# Altium PCB 电解水杯拼版6in1.PcbDoc (part 4 of 9) (continued)
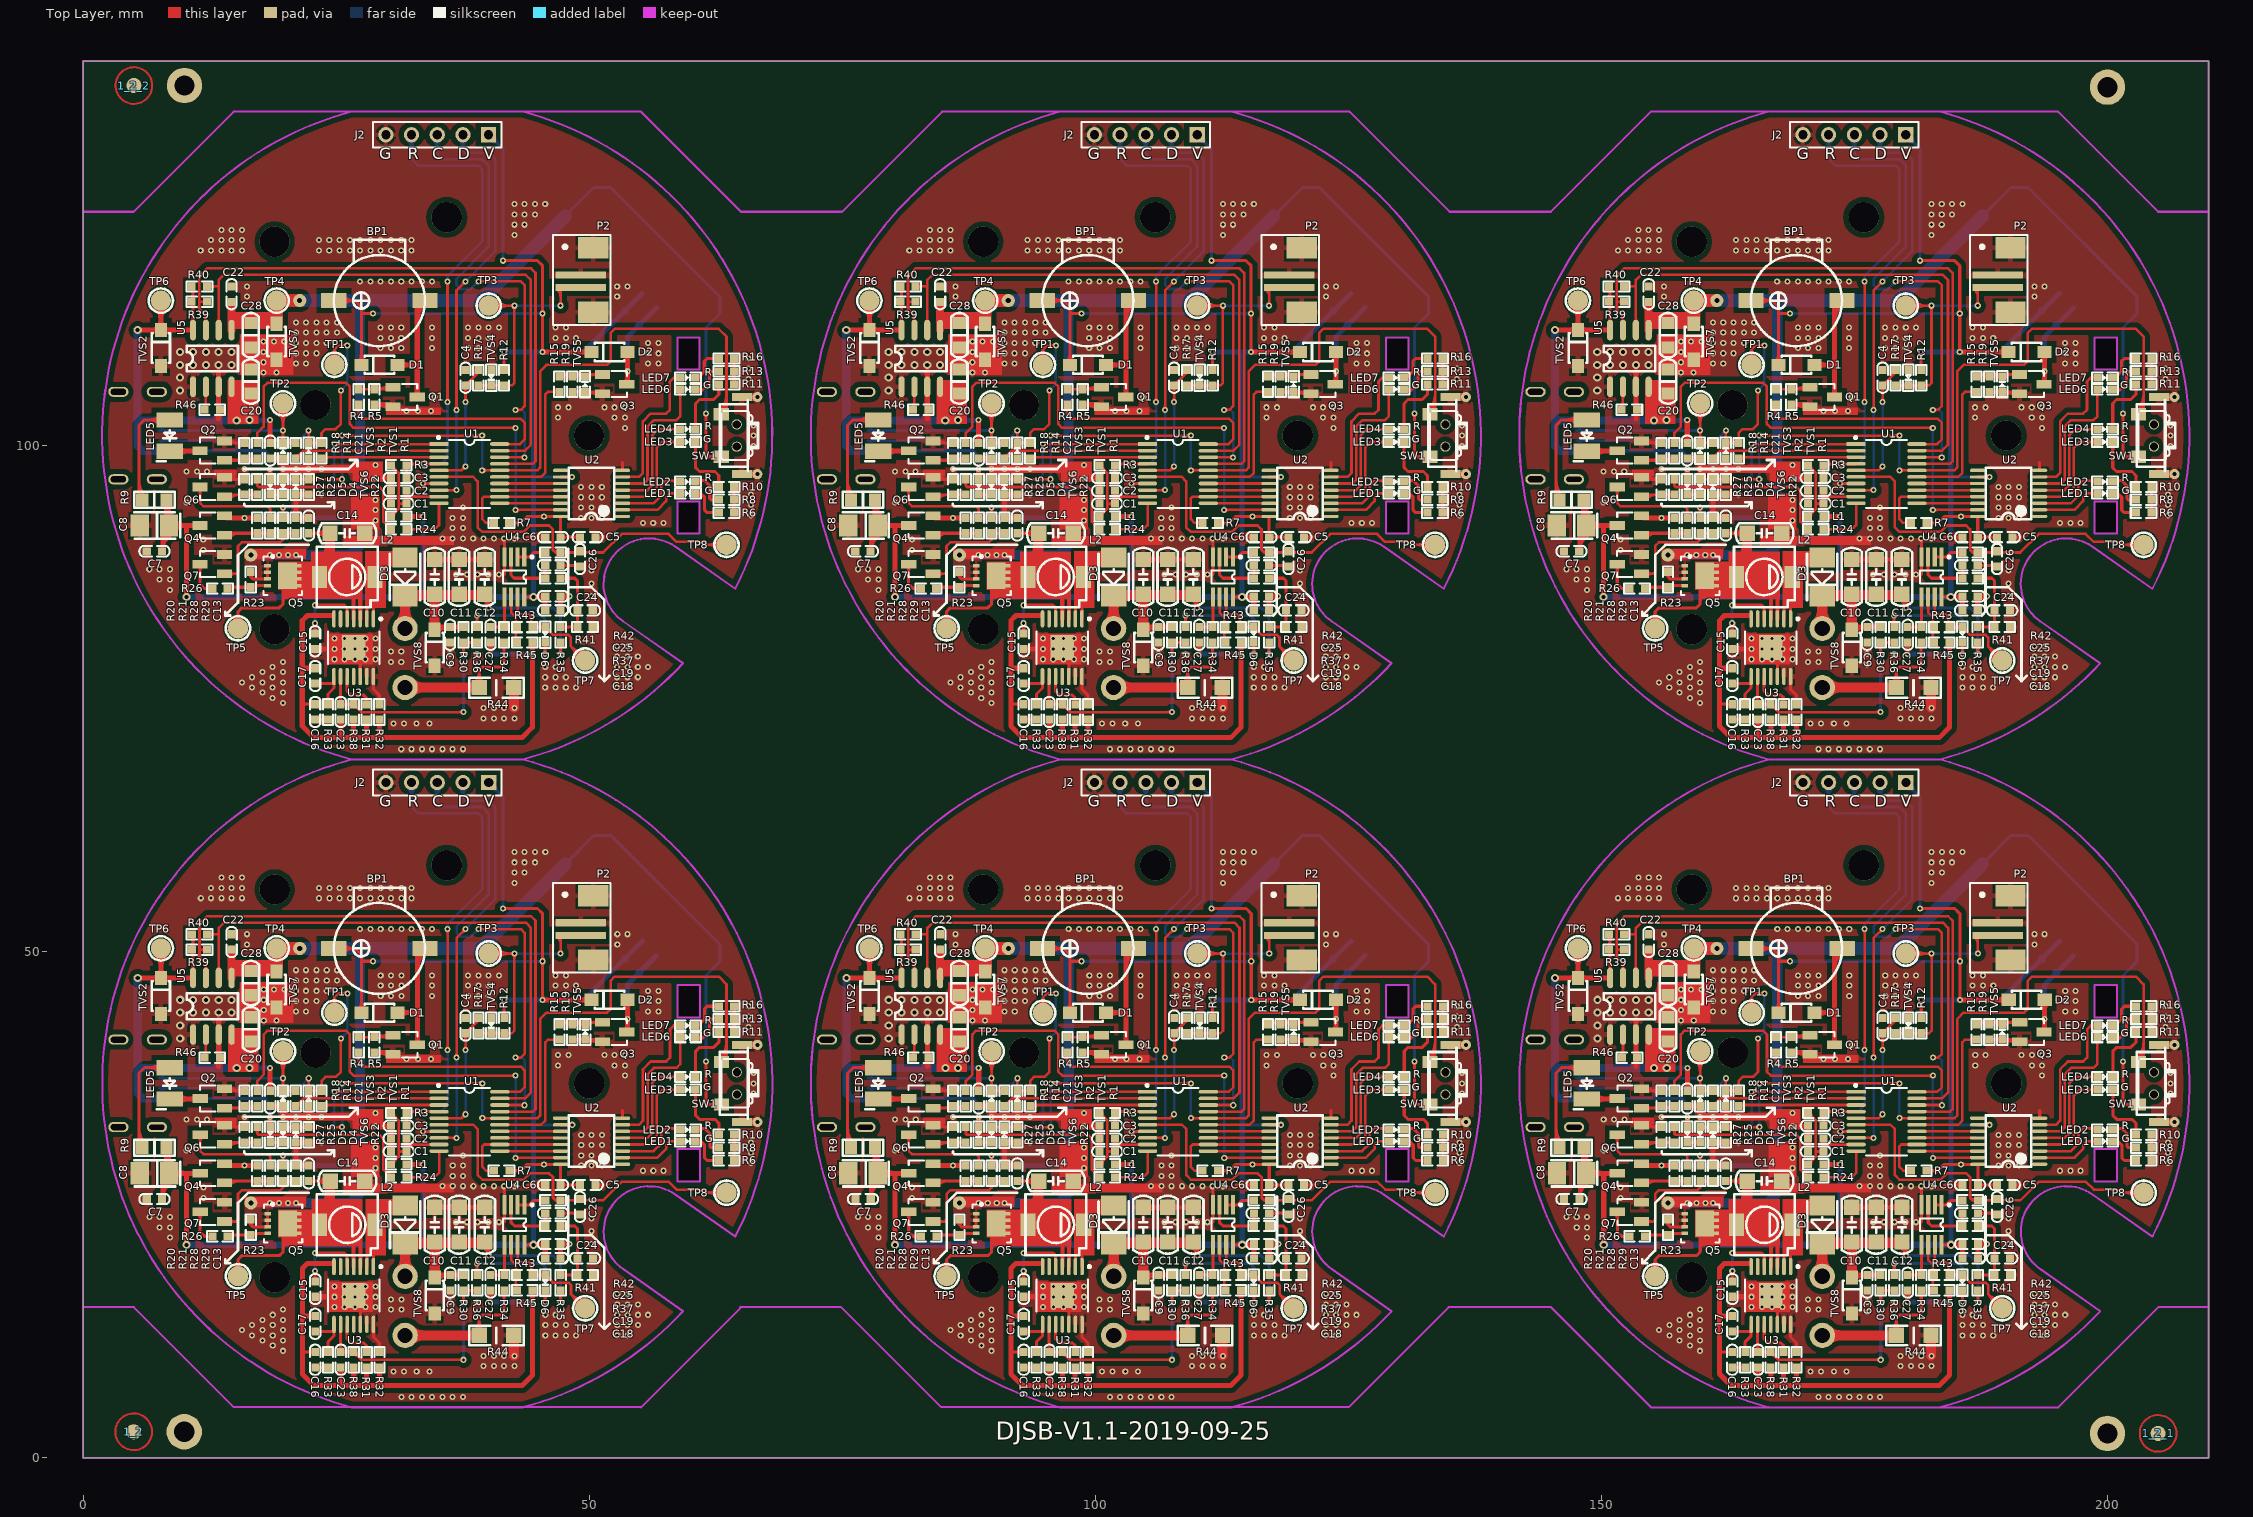
[diagram p0: Top Layer view]
## Nets (pads, with @x,y where several pads share a name; then routed paths per layer and width w, separated by ;. In a path a pad name is that pad's centre, name@x,y a point inside that pad or via, vN(x,y) a via of type N, cw(c..) or ccw(c..) an arc to the next point about the centre after c; other vN are vias at no path point) (continued)
160.85,27.172 ; 160.842,96.502 ccw(c160.409,96.069) 160.409,96.682 ccw(c160.409,97.295) 160.842,96.862 ; 160.842,100.093 ccw(c160.409,99.66) 160.409,100.273 ccw(c160.409,100.886) 160.842,100.453 ; 160.848,32.502 ccw(c160.414,32.069) 160.414,32.682 ccw(c160.414,33.295) 160.848,32.862 ; 160.848,36.093 ccw(c160.414,35.66) 160.414,36.273 ccw(c160.414,36.886) 160.848,36.453 ; 161.022,91.348 159.752,91.348 159.752,90.713 ; 161.022,98.749 161.784,99.511 175.166,99.511 ; 161.022,99.022 ccw(c161.022,99.681) 161.488,99.215 ; 161.022,100.273 159.752,100.273 ; 161.028,34.749 161.79,35.511 175.172,35.511 ; 161.028,35.022 ccw(c161.028,35.681) 161.494,35.215 ; 161.028,36.273 159.758,36.273 ; 161.202,96.502 cw(c161.635,96.069) 161.635,96.682 cw(c161.635,97.295) 161.202,96.862 ; 161.207,32.502 cw(c161.641,32.069) 161.641,32.682 cw(c161.641,33.295) 161.207,32.862 ; 161.276,98.768 cw(c161.843,98.768) 161.442,99.169 ; 161.282,34.768 cw(c161.849,34.768) 161.448,35.169 ; 162.112,96.502 ccw(c161.679,96.069) 161.679,96.682 ccw(c161.679,97.295) 162.112,96.862 ; 162.112,100.472 ccw(c161.679,100.905) 162.292,100.905 ccw(c162.905,100.905) 162.472,100.472 ; 162.118,32.502 ccw(c161.684,32.069) 161.684,32.682 ccw(c161.684,33.295) 162.118,32.862 ; 162.118,36.472 ccw(c161.684,36.905) 162.298,36.905 ccw(c162.911,36.905) 162.477,36.472 ; v1@162.17,101.386 cw(c161.874,101.09) 162.292,101.09 cw(c162.71,101.09) v1@162.414,101.386 ; v1@162.175,37.386 cw(c161.88,37.09) 162.298,37.09 cw(c162.715,37.09) v1@162.42,37.386 ; 162.292,100.238 v1(162.292,101.508) ; 162.292,100.273 163.562,100.273 163.562,101.254 163.943,101.635 164.959,101.635 165.467,102.143 v1(165.467,105.445) ; 162.298,36.238 v1(162.298,37.508) ; 162.298,36.273 163.568,36.273 163.568,37.254 163.949,37.635 164.965,37.635 165.473,38.143 v1(165.473,41.445) ; 162.472,96.502 cw(c162.905,96.069) 162.905,96.682 cw(c162.905,97.295) 162.472,96.862 ; 162.472,100.093 cw(c162.905,99.66) 162.905,100.273 cw(c162.905,100.886) 162.472,100.453 ; 162.477,32.502 cw(c162.911,32.069) 162.911,32.682 cw(c162.911,33.295) 162.477,32.862 ; 162.477,36.093 cw(c162.911,35.66) 162.911,36.273 cw(c162.911,36.886) 162.477,36.453 ; 163.382,100.093 ccw(c162.949,99.66) 162.949,100.273 ccw(c162.949,100.886) 163.382,100.453 ; 163.382,100.472 ccw(c162.949,100.905) 163.562,100.905 ccw(c164.175,100.905) 163.742,100.472 ; 163.388,36.093 ccw(c162.954,35.66) 162.954,36.273 ccw(c162.954,36.886) 163.388,36.453 ; 163.388,36.472 ccw(c162.954,36.905) 163.568,36.905 ccw(c164.181,36.905) 163.747,36.472 ; 163.562,98.749 163.71,98.897 ; 163.568,34.749 163.715,34.897 ; 163.71,98.862 175.167,98.862 ; 163.715,34.862 175.173,34.862 ; 163.742,98.588 cw(c164.402,97.928) 164.402,98.862 ; 163.742,98.948 ccw(c163.949,99.155) 163.949,98.862 ; 163.747,34.588 cw(c164.407,33.928) 164.407,34.862 ; 163.747,34.948 ccw(c163.954,35.155) 163.954,34.862 ; 164.39,108.738 ccw(c163.938,109.509) 164.832,109.509 ; 164.396,44.738 ccw(c163.944,45.509) 164.838,45.509 ; 164.519,108.519 ccw(c164.198,109.066) 164.832,109.066 ccw(c165.466,109.066) 165.145,108.519 ; 164.524,44.519 ccw(c164.204,45.066) 164.838,45.066 ccw(c165.471,45.066) 165.151,44.519 ; v1(164.832,100.162) 175.167,100.162 ; 164.832,107.985 164.832,109.509 ; v1(164.838,36.162) 175.173,36.162 ; 164.838,43.985 164.838,45.509 ; v1@164.954,100.039 cw(c165.25,99.744) 165.25,100.162 cw(c165.25,100.579) v1@164.954,100.284 ; v1@164.96,36.039 cw(c165.255,35.744) 165.255,36.162 cw(c165.255,36.579) v1@164.96,36.284 ; 165.274,108.738 cw(c165.726,109.509) 164.832,109.509 ; 165.279,44.738 cw(c165.731,45.509) 164.838,45.509 ; v1@165.345,105.323 cw(c165.049,105.027) 165.467,105.027 cw(c165.885,105.027) v1@165.589,105.323 ; v1@165.35,41.323 cw(c165.055,41.027) 165.473,41.027 cw(c165.89,41.027) v1@165.595,41.323 ; v1@165.472,96.56 ccw(c165.176,96.264) 165.176,96.682 ccw(c165.176,97.1) v1@165.472,96.804 ; v1@165.477,32.56 ccw(c165.182,32.264) 165.182,32.682 ccw(c165.182,33.1) v1@165.477,32.804 ; v1(165.594,101) v1(179.437,101) ; v1(165.6,37) v1(179.443,37) ; v1@165.716,100.878 cw(c166.012,100.582) 166.012,101 cw(c166.012,101.418) v1@165.716,101.122 ; v1@165.722,36.878 cw(c166.017,36.582) 166.017,37 cw(c166.017,37.418) v1@165.722,37.122 ; v1@165.98,109.768 ccw(c165.684,109.472) 165.684,109.89 ccw(c165.684,110.308) v1@165.98,110.012 ; v1@165.985,45.768 ccw(c165.69,45.472) 165.69,45.89 ccw(c165.69,46.308) v1@165.985,46.012 ; v1(166.102,109.89) 165.213,109.89 164.832,109.509 ; v1(166.108,45.89) 165.219,45.89 164.838,45.509 ; 166.737,74.185 cw(c166.737,73.526) 167.203,73.992 ; 166.737,74.458 167.511,73.684 v1@177.596,73.684 ; 166.742,10.185 cw(c166.742,9.526) 167.208,9.992 ; 166.742,10.458 167.516,9.684 v1@177.601,9.684 ; 166.991,74.439 ccw(c167.558,74.439) 167.157,74.037 ; 166.996,10.439 ccw(c167.564,10.439) 167.162,10.037 ; 167.065,103.849 cw(c166.632,103.416) 167.245,103.416 cw(c167.858,103.416) 167.425,103.849 ; 167.071,39.849 cw(c166.637,39.416) 167.251,39.416 cw(c167.864,39.416) 167.43,39.849 ; 167.245,104.048 167.245,102.905 167.499,102.651 183.247,102.651 183.628,102.27 183.628,100.619 183.171,100.162 181.167,100.162 ; 167.245,105.572 168.769,105.572 170.429,105.572 ; 167.251,40.048 167.251,38.905 167.505,38.651 183.253,38.651 183.634,38.27 183.634,36.619 183.176,36.162 181.173,36.162 ; 167.251,41.572 168.775,41.572 170.435,41.572 ; 167.425,105.392 cw(c167.858,104.959) 167.858,105.572 cw(c167.858,106.185) 167.425,105.752 ; 167.43,41.392 cw(c167.864,40.959) 167.864,41.572 cw(c167.864,42.185) 167.43,41.752 ; 168.589,105.392 ccw(c168.156,104.959) 168.156,105.572 ccw(c168.156,106.185) 168.589,105.752 ; 168.595,41.392 ccw(c168.161,40.959) 168.161,41.572 ccw(c168.161,42.185) 168.595,41.752 ; 168.901,105.808 ccw(c169.379,106.595) 169.617,105.706 ; 168.906,41.808 ccw(c169.384,42.595) 169.623,41.706 ; 168.949,105.392 cw(c169.382,104.959) 169.382,105.572 cw(c169.382,106.185) 168.949,105.752 ; 168.954,41.392 cw(c169.388,40.959) 169.388,41.572 cw(c169.388,42.185) 168.954,41.752 ; 169.119,105.572 ccw(c169.119,106.933) 170.081,105.971 ; 169.124,41.572 ccw(c169.124,42.933) 170.087,41.971 ; 169.732,105.572 ccw(c169.732,106.32) 170.261,105.791 ; 169.737,41.572 ccw(c169.737,42.32) 170.266,41.791 ; 169.954,92.195 cw(c169.488,91.729) 170.147,91.729 ; 169.959,28.195 cw(c169.493,27.729) 170.153,27.729 ; 170,92.149 ccw(c170.401,92.55) 170.401,91.983 ; 170.005,28.149 ccw(c170.407,28.55) 170.407,27.983 ; 170.42,91.729 169.658,92.491 169.658,95.539 169.277,95.92 158.482,95.92 ; 170.42,92.999 171.182,93.761 171.182,94.269 ; 170.42,98.079 171.182,97.317 171.182,94.269 ; 170.426,27.729 169.664,28.491 169.664,31.539 169.283,31.92 158.488,31.92 ; 170.426,28.999 171.188,29.761 171.188,30.269 ; 170.426,34.079 171.188,33.317 171.188,30.269 ; 170.439,93.253 ccw(c170.439,93.82) 170.84,93.419 ; 170.439,97.825 cw(c170.439,97.258) 170.84,97.659 ; 170.445,29.253 ccw(c170.445,29.82) 170.846,29.419 ; 170.445,33.825 cw(c170.445,33.258) 170.846,33.659 ; 170.693,92.999 cw(c171.352,92.999) 170.886,93.465 ; 170.693,98.079 ccw(c171.352,98.079) 170.886,97.613 ; 170.699,28.999 cw(c171.358,28.999) 170.892,29.465 ; 170.699,34.079 ccw(c171.358,34.079) 170.892,33.613 ; 171.745,94.089 ccw(c171.312,93.656) 171.312,94.269 ccw(c171.312,94.882) 171.745,94.449 ; 171.751,30.089 ccw(c171.317,29.656) 171.317,30.269 ccw(c171.317,30.882) 171.751,30.449 ; 171.944,91.729 174.738,91.729 175.167,92.158 175.167,94.312 ; 171.944,94.269 171.182,94.269 ; 171.95,27.729 174.744,27.729 175.173,28.158 175.173,30.312 ; 171.95,30.269 171.188,30.269 ; 172.143,91.549 cw(c172.576,91.116) 172.576,91.729 cw(c172.576,92.342) 172.143,91.909 ; 172.148,27.549 cw(c172.582,27.116) 172.582,27.729 cw(c172.582,28.342) 172.148,27.909 ; 175.167,95.612 v1(176.897,95.612) ; 175.167,96.912 178.551,96.912 178.986,96.477 178.986,91.933 179.44,91.479 183.504,91.479 184.139,92.114 186.044,92.114 186.422,91.735 186.422,89.697 ; 175.167,97.562 177.396,97.562 v1(177.786,97.952) ; 175.173,31.612 v1(176.903,31.612) ; 175.173,32.912 178.556,32.912 178.991,32.477 178.991,27.933 179.445,27.479 183.509,27.479 184.144,28.114 186.049,28.114 186.428,27.735 186.428,25.697 ; 175.173,33.562 177.401,33.562 v1(177.792,33.952) ; v1@175.886,104.424 ccw(c175.59,104.72) 176.008,104.72 ccw(c176.426,104.72) v1@176.13,104.424 ; v1@175.886,116.118 cw(c175.59,115.822) 176.008,115.822 cw(c176.426,115.822) v1@176.13,116.118 ; v1@175.891,40.424 ccw(c175.596,40.72) 176.014,40.72 ccw(c176.431,40.72) v1@176.136,40.424 ; v1@175.891,52.118 cw(c175.596,51.822) 176.014,51.822 cw(c176.431,51.822) v1@176.136,52.118 ; v1(176.008,104.302) v1(176.008,116.24) ; v1(176.014,40.302) v1(176.014,52.24) ; v1@176.775,95.489 ccw(c176.479,95.194) 176.479,95.612 ccw(c176.479,96.029) v1@176.775,95.734 ; v1@176.775,103.662 ccw(c176.479,103.958) 176.897,103.958 ccw(c177.315,103.958) v1@177.019,103.662 ; v1@176.78,31.489 ccw(c176.485,31.194) 176.485,31.612 ccw(c176.485,32.029) v1@176.78,31.734 ; v1@176.78,39.662 ccw(c176.485,39.958) 176.903,39.958 ccw(c177.32,39.958) v1@177.025,39.662 ; v1(176.897,103.54) 176.897,115.351 v1(177.786,116.24) ; v1(176.903,39.54) 176.903,51.351 v1(177.792,52.24) ; 177.151,73.684 ccw(c177.151,74.14) v1@177.473,73.817 ; 177.156,9.684 ccw(c177.156,10.14) v1@177.479,9.817 ; 177.205,73.684 cw(c177.205,73.305) v1@177.473,73.573 ; 177.211,9.684 cw(c177.211,9.305) v1@177.479,9.573 ; 177.606,105.754 cw(c177.173,105.321) 177.786,105.321 cw(c178.399,105.321) 177.966,105.754 ; 177.612,41.754 cw(c177.178,41.321) 177.792,41.321 cw(c178.405,41.321) 177.971,41.754 ; v1@177.613,97.952 cw(c177.195,97.952) 177.491,97.657 cw(c177.786,97.361) v1@177.786,97.779 ; v1@177.613,116.24 cw(c177.195,116.24) 177.491,115.945 cw(c177.786,115.649) v1@177.786,116.067 ; v1@177.619,33.952 cw(c177.201,33.952) 177.496,33.657 cw(c177.792,33.361) v1@177.792,33.779 ; v1@177.619,52.24 cw(c177.201,52.24) 177.496,51.945 cw(c177.792,51.649) v1@177.792,52.067 ; v1@177.664,104.424 ccw(c177.368,104.72) 177.786,104.72 ccw(c178.204,104.72) v1@177.908,104.424 ; v1@177.669,40.424 ccw(c177.374,40.72) 177.792,40.72 ccw(c178.209,40.72) v1@177.914,40.424 ; v1(177.786,104.302) 177.786,105.953 179.056,107.223 179.056,107.477 ; 177.786,106.226 ccw(c177.786,106.885) 178.252,106.419 ; v1(177.792,40.302) 177.792,41.953 179.062,43.223 179.062,43.477 ; 177.792,42.226 ccw(c177.792,42.885) 178.258,42.419 ; 178.04,105.972 cw(c178.607,105.972) 178.206,106.373 ; 178.046,41.972 cw(c178.613,41.972) 178.212,42.373 ; 178.456,106.623 ccw(c177.622,107.458) 178.802,107.458 ; 178.462,42.623 ccw(c177.627,43.458) 178.808,43.458 ; 178.89,107.057 ccw(c178.489,107.458) 179.056,107.458 ; 178.895,43.057 ccw(c178.494,43.458) 179.062,43.458 ; 179.056,105.953 180.326,105.953 181.596,105.953 182.358,105.953 182.612,106.207 v1(182.612,113.827) 179.957,113.827 ; v1(179.056,116.24) 183.247,116.24 183.628,115.859 183.628,103.921 183.247,103.54 v1(182.739,103.54) ; 179.062,41.953 180.332,41.953 181.602,41.953 182.364,41.953 182.618,42.207 v1(182.618,49.827) 179.963,49.827 ; v1(179.062,52.24) 183.253,52.24 183.634,51.859 183.634,39.921 183.253,39.54 v1(182.745,39.54) ; v1@179.178,116.118 cw(c179.474,115.822) 179.474,116.24 cw(c179.474,116.658) v1@179.178,116.362 ; v1@179.184,52.118 cw(c179.479,51.822) 179.479,52.24 cw(c179.479,52.658) v1@179.184,52.362 ; 179.236,105.773 cw(c179.669,105.34) 179.669,105.953 cw(c179.669,106.566) 179.236,106.133 ; 179.241,41.773 cw(c179.675,41.34) 179.675,41.953 cw(c179.675,42.566) 179.241,42.133 ; v1@179.315,100.878 ccw(c179.019,100.582) 179.019,101 ccw(c179.019,101.418) v1@179.315,101.122 ; v1@179.32,36.878 ccw(c179.025,36.582) 179.025,37 ccw(c179.025,37.418) v1@179.32,37.122 ; v1(179.437,97.562) 181.167,97.562 184.889,97.562 185.152,97.825 185.152,107.35 185.787,107.985 191.756,107.985 192.137,108.366 192.137,111.16 192.518,111.541 202.805,111.541 203.567,110.779 203.567,103.286 ; v1(179.443,33.562) 181.173,33.562 184.894,33.562 185.158,33.825 185.158,43.35 185.793,43.985 191.762,43.985 192.143,44.366 192.143,47.16 192.524,47.541 202.811,47.541 203.573,46.779 203.573,39.286 ; v1@179.559,97.439 cw(c179.855,97.144) 179.855,97.562 cw(c179.855,97.979) v1@179.559,97.684 ; v1@179.565,33.439 cw(c179.86,33.144) 179.86,33.562 cw(c179.86,33.979) v1@179.565,33.684 ; 180.146,105.773 ccw(c179.713,105.34) 179.713,105.953 ccw(c179.713,106.566) 180.146,106.133 ; 180.152,41.773 ccw(c179.718,41.34) 179.718,41.953 ccw(c179.718,42.566) 180.152,42.133 ; 180.384,92.188 ccw(c179.95,91.755) 179.95,92.368 ccw(c179.95,92.981) 180.384,92.548 ; 180.389,28.188 ccw(c179.956,27.755) 179.956,28.368 ccw(c179.956,28.981) 180.389,28.548 ; 180.506,105.773 cw(c180.939,105.34) 180.939,105.953 cw(c180.939,106.566) 180.506,106.133 ; 180.511,41.773 cw(c180.945,41.34) 180.945,41.953 cw(c180.945,42.566) 180.511,42.133 ; 180.512,113.393 cw(c181.559,112.346) 181.559,113.827 ; 180.512,114.269 ccw(c181.579,115.335) 181.579,113.827 ; 180.518,49.393 cw(c181.565,48.346) 181.565,49.827 ; 180.518,50.269 ccw(c181.584,51.335) 181.584,49.827 ; 180.583,92.368 179.821,92.368 179.44,92.749 179.44,94.781 179.62,94.962 181.167,94.962 ; 180.588,28.368 179.826,28.368 179.445,28.749 179.445,30.781 179.626,30.962 181.173,30.962 ; 180.692,113.214 cw(c182.173,111.733) 182.173,113.827 ; 180.692,114.448 ccw(c182.192,115.948) 182.192,113.827 ; 180.697,49.214 cw(c182.178,47.733) 182.178,49.827 ; 180.697,50.448 ccw(c182.197,51.948) 182.197,49.827 ; 181.129,94.31 186.923,94.31 ; 181.135,30.31 186.929,30.31 ; 181.167,96.912 185.255,96.912 185.66,97.317 185.66,105.064 185.914,105.318 187.057,105.318 ; 181.167,98.862 v1@183.628,98.862 ; 181.169,94.96 186.923,94.96 ; 181.169,95.61 186.923,95.61 ; 181.169,96.26 186.923,96.26 ; 181.173,32.912 185.26,32.912 185.666,33.317 185.666,41.064 185.92,41.318 187.063,41.318 ; 181.173,34.862 v1@183.634,34.862 ; 181.174,30.96 186.929,30.96 ; 181.174,31.61 186.929,31.61 ; 181.174,32.26 186.929,32.26 ; 181.416,105.773 ccw(c180.983,105.34) 180.983,105.953 ccw(c180.983,106.566) 181.416,106.133 ; 181.422,41.773 ccw(c180.988,41.34) 180.988,41.953 ccw(c180.988,42.566) 181.422,42.133 ; 181.776,105.773 cw(c182.209,105.34) 182.209,105.953 cw(c182.209,106.566) 181.776,106.133 ; 181.781,41.773 cw(c182.215,41.34) 182.215,41.953 cw(c182.215,42.566) 181.781,42.133 ; 182.287,85.055 182.287,83.538 182.739,83.086 182.739,82.078 182.739,80.554 ; 182.293,21.055 182.293,19.538 182.744,19.086 182.744,18.078 182.744,16.554 ; v1@182.49,113.949 cw(c182.194,114.245) 182.194,113.827 cw(c182.194,113.409) 182.49,113.705 cw(c182.194,113.409) 182.612,113.409 cw(c183.03,113.409) v1@182.734,113.705 ; v1@182.495,49.949 cw(c182.2,50.245) 182.2,49.827 cw(c182.2,49.409) 182.495,49.705 cw(c182.2,49.409) 182.618,49.409 cw(c183.035,49.409) v1@182.74,49.705 ; v1@182.617,101.64 ccw(c182.321,101.344) 182.321,101.762 ccw(c182.321,102.18) v1@182.617,101.884 ; v1@182.622,37.64 ccw(c182.327,37.344) 182.327,37.762 ccw(c182.327,38.18) v1@182.622,37.884 ; 182.739,81.202 cw(c183.722,81.202) 183.027,81.897 ; 182.739,81.428 ccw(c183.722,81.428) 183.027,80.733 ; 182.739,82.952 ccw(c183.722,82.952) 183.027,82.257 ; v1@182.739,93.66 187.163,93.66 ; 182.744,17.202 cw(c183.727,17.202) 183.032,17.897 ; 182.744,17.428 ccw(c183.727,17.428) 183.032,16.733 ; 182.744,18.952 ccw(c183.727,18.952) 183.032,18.257 ; v1@182.745,29.66 187.169,29.66 ; v1@182.861,93.512 cw(c183.22,93.154) 183.22,93.66 ; v1@182.861,93.756 ccw(c183.094,93.989) 183.094,93.66 ; v1@182.861,103.418 cw(c183.157,103.122) 183.157,103.54 cw(c183.157,103.958) v1@182.861,103.662 ; v1@182.867,29.512 cw(c183.225,29.154) 183.225,29.66 ; v1@182.867,29.756 ccw(c183.099,29.989) 183.099,29.66 ; v1@182.867,39.418 cw(c183.162,39.122) 183.162,39.54 cw(c183.162,39.958) v1@182.867,39.662 ; 182.937,85.055 182.937,83.53 183.12,83.347 184.009,83.347 184.263,83.093 184.263,82.078 185.66,82.078 186.422,81.316 187.946,81.316 188.2,81.062 188.2,80.173 ; 182.943,21.055 182.943,19.53 183.126,19.347 184.014,19.347 184.268,19.093 184.268,18.078 185.665,18.078 186.427,17.316 187.951,17.316 188.205,17.062 188.205,16.173 ; 183.16,98.862 cw(c183.16,98.373) v1@183.506,98.719 ; 183.166,34.862 cw(c183.166,34.373) v1@183.511,34.719 ; 183.261,98.862 ccw(c183.261,99.209) v1@183.506,98.963 ; 183.266,34.862 ccw(c183.266,35.209) v1@183.511,34.963 ; 184.263,82.952 ccw(c185.246,82.952) 184.551,82.257 ; 184.268,18.952 ccw(c185.251,18.952) 184.556,18.257 ; 184.589,81.897 cw(c185.024,81.462) 185.024,82.078 ; 184.589,82.257 ccw(c185.021,82.689) 185.021,82.078 ; 184.594,17.897 cw(c185.029,17.462) 185.029,18.078 ; 184.594,18.257 ccw(c185.026,18.689) 185.026,18.078 ; 185.48,81.898 ccw(c185.047,81.464) 185.047,82.078 ccw(c185.047,82.691) 185.48,82.257 ; 185.486,17.898 ccw(c185.052,17.464) 185.052,18.078 ccw(c185.052,18.691) 185.486,18.257 ; 185.66,81.805 cw(c185.66,81.146) 186.126,81.612 ; 185.665,17.805 cw(c185.665,17.146) 186.131,17.612 ; 185.914,82.059 ccw(c186.481,82.059) 186.08,81.657 ; 185.919,18.059 ccw(c186.487,18.059) 186.085,17.657 ; 186.633,89.486 ccw(c186.924,89.777) 187.165,89.444 ; 186.638,25.486 ccw(c186.929,25.777) 187.17,25.444 ; 186.855,115.457 cw(c186.062,114.664) 187.184,114.664 ; 186.861,51.457 cw(c186.067,50.664) 187.19,50.664 ; 186.877,105.138 ccw(c186.444,104.705) 186.444,105.318 ccw(c186.444,105.931) 186.877,105.498 ; 186.883,41.138 ccw(c186.449,40.705) 186.449,41.318 ccw(c186.449,41.931) 186.883,41.498 ; 186.957,89.297 ccw(c186.675,89.099) 186.675,89.444 ; 186.957,89.59 cw(c186.675,89.788) 186.675,89.444 ; 186.963,25.297 ccw(c186.681,25.099) 186.681,25.444 ; 186.963,25.59 cw(c186.681,25.788) 186.681,25.444 ; 187.016,89.65 cw(c186.747,90.022) 186.422,89.697 ; 187.021,25.65 cw(c186.752,26.022) 186.428,25.697 ; 187.035,115.637 cw(c186.675,115.277) 187.184,115.277 ; 187.04,51.637 cw(c186.681,51.277) 187.19,51.277 ; 187.057,106.842 187.245,107.03 191.318,107.03 ; 187.063,42.842 187.251,43.03 191.324,43.03 ; v1@187.062,113.949 ccw(c186.766,114.245) 187.184,114.245 ccw(c187.602,114.245) v1@187.306,113.949 ; v1@187.067,49.949 ccw(c186.772,50.245) 187.19,50.245 ccw(c187.607,50.245) v1@187.312,49.949 ; v1(187.184,113.827) 187.184,115.605 187.194,115.615 189.163,115.615 ; v1(187.19,49.827) 187.19,51.605 187.2,51.615 189.169,51.615 ; 187.306,107.03 cw(c187.306,105.84) 188.147,106.681 ; 187.311,43.03 cw(c187.311,41.84) 188.153,42.681 ; 187.382,89.264 cw(c187.816,88.83) 187.816,89.444 cw(c187.816,90.057) 187.382,89.623 ; 187.388,25.264 cw(c187.821,24.83) 187.821,25.444 cw(c187.821,26.057) 187.388,25.623 ; 187.465,107.03 ccw(c187.465,106.453) 187.057,106.861 cw(c187.467,106.451) 187.467,107.031 ; 187.471,43.03 ccw(c187.471,42.453) 187.063,42.861 cw(c187.472,42.451) 187.472,43.031 ; 187.919,107.03 cw(c187.919,106.453) 188.327,106.861 ; 187.925,43.03 cw(c187.925,42.453) 188.333,42.861 ; 187.945,107.031 cw(c187.945,106.515) 188.327,106.861 ; 187.95,43.031 cw(c187.95,42.515) 188.333,42.861 ; 188.078,107.03 ccw(c188.078,105.84) 187.237,106.681 cw(c188.08,105.838) 188.08,107.031 ; 188.084,43.03 ccw(c188.084,41.84) 187.242,42.681 cw(c188.085,41.838) 188.085,43.031 ; 188.139,106.691 ccw(c187.372,105.996) 187.372,107.031 190.048,107.031 ccw(c190.048,106.833) 189.851,106.845 ; 188.144,42.691 ccw(c187.377,41.996) 187.377,43.031 190.053,43.031 ccw(c190.053,42.833) 189.856,42.845 ; 188.217,89.444 ccw(c188.217,90.423) 188.909,89.731 ; 188.222,25.444 ccw(c188.222,26.423) 188.915,25.731 ; 188.574,107.031 cw(c188.574,105.838) 189.417,106.681 ccw(c188.576,105.84) 188.576,107.03 ; 188.58,43.031 cw(c188.58,41.838) 189.423,42.681 ccw(c188.581,41.84) 188.581,43.03 ; 188.725,78.816 ccw(c186.928,78.901) 188.2,80.173 ; 188.73,14.816 ccw(c186.933,14.901) 188.205,16.173 ; 188.735,107.03 ccw(c188.735,106.453) 188.327,106.861 ; 188.737,107.031 ccw(c188.737,106.451) 188.327,106.861 ; 188.741,43.03 ccw(c188.741,42.453) 188.333,42.861 ; 188.742,43.031 ccw(c188.742,42.451) 188.333,42.861 ; 188.979,78.805 ccw(c187.704,78.864) 188.606,79.766 ccw(c189.508,80.668) 189.568,79.394 ; 188.984,14.805 ccw(c187.71,14.864) 188.612,15.766 ccw(c189.514,16.668) 189.573,15.394 ; 189.187,107.031 cw(c189.187,106.451) 189.597,106.861 ; 189.189,107.03 cw(c189.189,106.453) 189.597,106.861 ; 189.193,43.031 cw(c189.193,42.451) 189.603,42.861 ; 189.195,43.03 cw(c189.195,42.453) 189.603,42.861 ; 189.269,89.731 ccw(c189.961,90.423) 189.961,89.444 ; 189.274,25.731 ccw(c189.967,26.423) 189.967,25.444 ; 189.348,107.03 ccw(c189.348,105.84) 188.507,106.681 cw(c189.35,105.838) 189.35,107.031 ; 189.354,43.03 ccw(c189.354,41.84) 188.512,42.681 cw(c189.355,41.838) 189.355,43.031 ; 189.556,79.648 cw(c189.472,81.445) 188.2,80.173 ; 189.561,15.648 cw(c189.477,17.445) 188.205,16.173 ; 189.597,78.776 188.2,80.173 ; 189.602,14.776 188.205,16.173 ; 189.777,106.681 cw(c190.618,105.84) 190.618,107.03 ; 189.782,42.681 cw(c190.624,41.84) 190.624,43.03 ; 190.005,107.03 ccw(c190.005,106.453) 189.597,106.861 ; 190.011,43.03 ccw(c190.011,42.453) 189.603,42.861 ; 190.782,106.819 ccw(c190.274,106.311) 190.274,107.03 ccw(c190.274,107.749) 190.782,107.241 ; 190.788,42.819 ccw(c190.279,42.311) 190.279,43.03 ccw(c190.279,43.749) 190.788,43.241 ; 193.061,93.66 196.735,93.66 197.598,94.523 197.598,94.904 197.979,95.285 198.995,95.285 ; 193.061,94.31 196.369,94.31 197.128,95.069 197.128,96.085 197.598,96.555 198.995,96.555 ; 193.061,94.96 196.003,94.96 196.674,95.631 196.674,99.822 197.217,100.365 198.995,100.365 ; 193.061,95.61 195.764,95.61 196.22,96.066 196.22,101.019 196.836,101.635 198.995,101.635 ; 193.061,96.26 195.398,96.26 195.766,96.628 195.766,101.889 196.401,102.524 198.614,102.524 198.995,102.905 198.995,105.572 ; 193.061,96.91 194.905,96.91 195.312,97.317 195.312,102.397 196.074,103.159 197.598,103.159 197.979,103.54 197.979,106.334 198.36,106.715 198.741,106.715 ; 193.067,29.66 196.741,29.66 197.604,30.523 197.604,30.904 197.985,31.285 199.001,31.285 ; 193.067,30.31 196.375,30.31 197.134,31.069 197.134,32.085 197.604,32.555 199.001,32.555 ; 193.067,30.96 196.009,30.96 196.68,31.631 196.68,35.822 197.223,36.365 199.001,36.365 ; 193.067,31.61 195.77,31.61 196.226,32.066 196.226,37.019 196.842,37.635 199.001,37.635 ; 193.067,32.26 195.404,32.26 195.772,32.628 195.772,37.889 196.407,38.524 198.62,38.524 199.001,38.905 199.001,41.572 ; 193.067,32.91 194.911,32.91 195.318,33.317 195.318,38.397 196.08,39.159 197.604,39.159 197.985,39.54 197.985,42.334 198.366,42.715 198.747,42.715 ; 198.056,96.555 cw(c198.056,95.508) 198.796,96.248 ; 198.062,32.555 cw(c198.062,31.508) 198.802,32.248 ; 198.796,95.105 ccw(c198.363,94.672) 198.363,95.285 ccw(c198.363,95.898) 198.796,95.465 ; 198.796,100.185 ccw(c198.363,99.752) 198.363,100.365 ccw(c198.363,100.978) 198.796,100.545 ; 198.796,101.455 ccw(c198.363,101.022) 198.363,101.635 ccw(c198.363,102.248) 198.796,101.815 ; 198.796,106.535 ccw(c198.363,106.102) 198.363,106.715 ccw(c198.363,107.328) 198.796,106.895 ; 198.802,31.105 ccw(c198.368,30.672) 198.368,31.285 ccw(c198.368,31.898) 198.802,31.465 ; 198.802,36.185 ccw(c198.368,35.752) 198.368,36.365 ccw(c198.368,36.978) 198.802,36.545 ; 198.802,37.455 ccw(c198.368,37.022) 198.368,37.635 ccw(c198.368,38.248) 198.802,37.815 ; 198.802,42.535 ccw(c198.368,42.102) 198.368,42.715 ccw(c198.368,43.328) 198.802,42.895 ; 198.815,105.392 cw(c198.382,104.959) 198.995,104.959 cw(c199.608,104.959) 199.175,105.392 ; 198.821,41.392 cw(c198.387,40.959) 199.001,40.959 cw(c199.614,40.959) 199.18,41.392 ; 202.874,103.435 ccw(c201.202,105.107) 203.567,105.107 ; 202.88,39.435 ccw(c201.207,41.107) 203.573,41.107 ; 202.906,89.635 ccw(c201.662,88.563) 201.662,90.205 ; 202.906,90.775 cw(c201.662,91.847) 201.662,90.205 ; 202.911,25.635 ccw(c201.668,24.563) 201.668,26.205 ; 202.911,26.775 cw(c201.668,27.847) 201.668,26.205 ; 203.054,103.256 ccw(c201.815,104.494) 203.567,104.494 ; 203.059,39.256 ccw(c201.821,40.494) 203.573,40.494 ; 203.098,89.801 ccw(c202.216,89.041) 202.216,90.205 ccw(c202.216,91.369) 203.098,90.609 ; 203.104,25.801 ccw(c202.222,25.041) 202.222,26.205 ccw(c202.222,27.369) 203.104,26.609 ; 203.234,103.076 ccw(c202.428,103.881) 203.567,103.881 ; 203.239,39.076 ccw(c202.434,39.881) 203.573,39.881 ; 203.567,90.205 201.662,90.205 ; 203.573,26.205 201.668,26.205 ; 46.422,89.697 46.675,89.444 ; 46.428,25.697 46.681,25.444 ; 46.675,89.444 47.184,89.444 51.376,89.444 53.224,91.292 57.845,91.292 58.643,90.494 61.373,90.494 61.662,90.205 ; 46.681,25.444 47.189,25.444 51.381,25.444 53.23,27.292 57.85,27.292 58.649,26.494 61.379,26.494 61.668,26.205 ; 116.422,89.697 116.675,89.444 ; 116.428,25.697 116.681,25.444 ; 116.675,89.444 117.184,89.444 121.376,89.444 123.224,91.292 127.845,91.292 128.643,90.494 131.373,90.494 131.662,90.205 ; 116.681,25.444 117.189,25.444 121.381,25.444 123.23,27.292 127.85,27.292 128.649,26.494 131.379,26.494 131.668,26.205 ; 186.422,89.697 186.675,89.444 ; 186.428,25.697 186.681,25.444 ; 186.675,89.444 187.184,89.444 191.376,89.444 193.224,91.292 197.845,91.292 198.643,90.494 201.373,90.494 201.662,90.205 ; 186.681,25.444 187.189,25.444 191.381,25.444 193.23,27.292 197.85,27.292 198.649,26.494 201.379,26.494 201.668,26.205